# Altium PCB PCB_Right.PcbDoc (part 1 of 2) (continued)
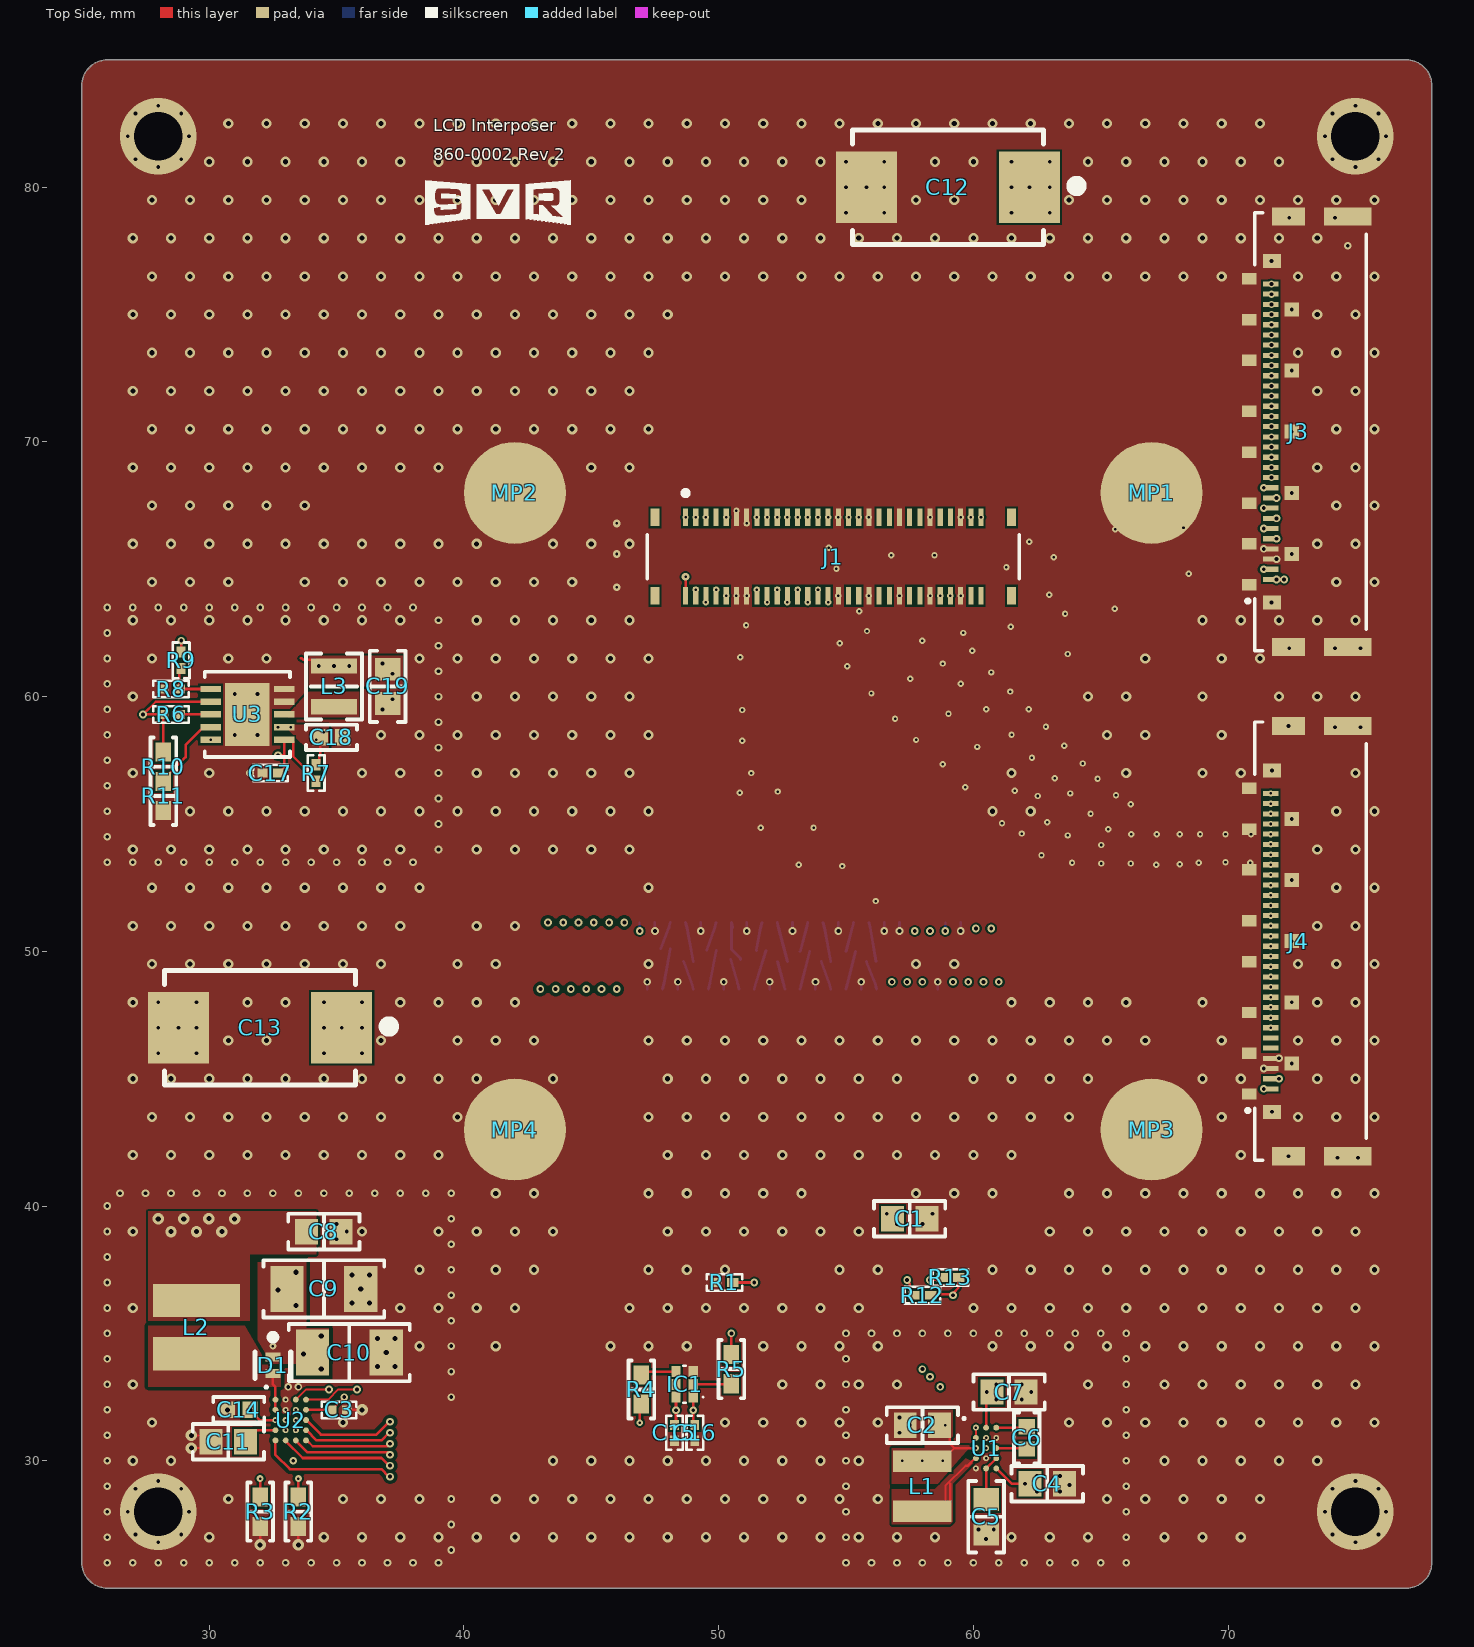
[diagram p0: Top Side view]
## Footprints (in the part's own frame and the unit in brackets; to place one, negate y for a bottom-side part, rotate by r counter-clockwise, add the part's x,y. Pads: shape width x height; smd on the part's side, far side on the other; paste and mask are expansions set on the pad) (continued)
  silkscreen extent -1.68,-1.68 1.68,1.68, body extent -1.55,-1.55 1.55,1.55, height 0.79
FP-SOD993-MFG [mm]
  rect 0.35x0.6 smd paste-1000 mask+0: 1(-0.325,0) 2(0.325,0)
  silkscreen extent -1.22,-0.7 0.53,0.7, body extent -0.63,-0.43 0.63,0.43, height 0.25
HRS_DF40B-60DS-0.4V(51) [mm]
  rect 0.2x0.7 smd paste-1 mask+0.05: 1(5.8,-1.54) 2(5.8,1.54) 3(5.4,-1.54) 4(5.4,1.54) 5(5,-1.54) 6(5,1.54) 7(4.6,-1.54) 8(4.6,1.54) 9(4.2,-1.54) 10(4.2,1.54) 11(3.8,-1.54) 12(3.8,1.54) 13(3.4,-1.54) 14(3.4,1.54) 15(3,-1.54) 16(3,1.54) 17(2.6,-1.54) 18(2.6,1.54) 19(2.2,-1.54) 20(2.2,1.54) 21(1.8,-1.54) 22(1.8,1.54) 23(1.4,-1.54) 24(1.4,1.54) 25(1,-1.54) 26(1,1.54) 27(0.6,-1.54) 28(0.6,1.54) 29(0.2,-1.54) 30(0.2,1.54) 31(-0.2,-1.54) 32(-0.2,1.54) 33(-0.6,-1.54) 34(-0.6,1.54) 35(-1,-1.54) 36(-1,1.54) 37(-1.4,-1.54) 38(-1.4,1.54) 39(-1.8,-1.54) 40(-1.8,1.54) 41(-2.2,-1.54) 42(-2.2,1.54) 43(-2.6,-1.54) 44(-2.6,1.54) 45(-3,-1.54) 46(-3,1.54) 47(-3.4,-1.54) 48(-3.4,1.54) 49(-3.8,-1.54) 50(-3.8,1.54) 51(-4.2,-1.54) 52(-4.2,1.54) 53(-4.6,-1.54) 54(-4.6,1.54) 55(-5,-1.54) 56(-5,1.54) 57(-5.4,-1.54) 58(-5.4,1.54) 59(-5.8,-1.54) 60(-5.8,1.54)
  rect 0.35x0.7 smd paste-1: S1(7,-1.54) S2(7,1.54) S3(-7,-1.54) S4(-7,1.54)
  silkscreen extent -7.3,-2.59 7.3,0.87, body extent -7.29,-1.69 7.31,1.69, height 1.4
"IND 0806_2016" [mm] "Chip Capacitor, 2-Leads, Body 2.00x1.20mm, IPC Medium Density"
  rect 0.6x1.8 smd: 1(-0.8,0) 2(0.8,0)
  silkscreen extent -1.3,-1.1 1.3,1.1, body extent -1.01,-0.91 1.01,0.91, height 1.81
IPEX_20682-030E-02 [mm]
  rect 0.2x0.6 smd: 1(-5.8,0) 2(-5.4,0) 3(-5,0) 4(-4.6,0) 5(-4.2,0) 6(-3.8,0) 7(-3.4,0) 8(-3,0) 9(-2.6,0) 10(-2.2,0) 11(-1.8,0) 12(-1.4,0) 13(-1,0) 14(-0.6,0) 15(-0.2,0) 16(0.2,0) 17(0.6,0) 18(1,0) 19(1.4,0) 20(1.8,0) 21(2.2,0) 22(2.6,0) 23(3,0) 24(3.4,0) 25(3.8,0) 26(4.2,0) 27(4.6,0) 28(5,0) 29(5.4,0) 30(5.8,0)
  rect 0.71x1.3 smd: S1(-8.445,-0.7) S2(8.445,-0.7)
  rect 0.71x1.85 smd: S3(-8.445,-3.025) S4(8.445,-3.025)
  rect 0.55x0.55 smd: S5(-4.8,-0.825) S6(-2.4,-0.825) S7(0,-0.825) S14(2.4,-0.825) S15(4.8,-0.825)
  rect 0.45x0.58 smd: S8(-6,0.84) S9(-4.4,0.84) S10(-2.8,0.84) S11(-0.8,0.84) S16(0.8,0.84) S17(2.8,0.84) S18(6,0.84) S19(4.4,0.84)
  rect 0.55x0.7 smd: S12(-6.7,-0.05) S13(6.7,-0.05)
  silkscreen extent -8.6,-3.75 8.6,0.97
PESD3V3L5UF115 [mm]
  rect 0.425x0.37 smd: 1(-0.5,-0.337) 2(0,-0.337) 3(0.5,-0.337) 4(0.5,0.337) 5(0,0.337) 6(-0.5,0.337)
  silkscreen extent -0.72,-0.75 0.72,0.05, body extent -0.72,-0.5 0.73,0.5, height 0.47
"RES 0201_0603" [mm] "Chip Resistor, 2-Leads, Body 0.60x0.30mm, IPC Medium Density"
  rect 0.44x0.35 smd: 1(-0.325,0) 2(0.325,0)
  silkscreen extent -0.7,-0.33 0.7,0.33, body extent -0.3,-0.15 0.3,0.15, height 0.21
"RES 0402_1005" [mm] "Chip Resistor, 2-Leads, Body 1.0x0.5mm, IPC Medium Density"
  rect 0.75x0.6 smd: 1(-0.575,0) 2(0.575,0)
  silkscreen extent -1.14,-0.51 1.14,0.51, body extent -0.5,-0.25 0.5,0.25, height 0.35
WCAP-PHGP_L7.3W4.3H1.9 [mm] "Aluminum Polymer Capacitors, body 7.3x4.3mm"
  rect 2.4x2.8 smd: 1(3.2,0) 2(-3.2,0)
  silkscreen extent -3.75,-2.25 5.25,2.25, body extent -3.65,-2.15 3.65,2.15, height 1.9
WE-MAPI_2510 [mm] "SMT Shielded Power Inductor, body 2..5x2mm"
  rect 0.85x2.3 smd: 1(-0.975,0) 2(0.975,0)
  body extent -1.25,-1 1.25,1, height 1
WE-MAPI_3015 [mm] "SMT Shielded Power Inductor, body 3x3mm"
  rect 1.3x3.4 smd: 1(-1.05,0) 2(1.05,0)
  body extent -1.5,-1.5 1.5,1.5, height 1.5

## Part data
C1 C2 C4 C5 C7 C8 C11: library part GRM188R61C106MA73D, "CAP CER 10UF 16V X5R 0603", Device Package="0603 (1608 Metric)", Manufacturer="Murata Electronics", Operating Temperature="-55°C ~ 85°C", Supplier Part Number 1=490-7201-1-ND, Temperature Coefficient=X5R, Tolerance=±20%, Voltage - Rated=16V, Applications="General Purpose", Capacitance="10 µF", ComponentLink1Description=Datasheet, ComponentLink1URL=https://www.murata.com/~/media/webrenewal/support/library/catalog/products/capacitor/mlcc/c02e.ashx?la=en-us, ComponentLink2Description="DigiKey Link", ComponentLink2URL=https://www.digikey.com/en/products/detail/murata-electronics/GRM188R61C106MA73D/3900480, LastUpdated="2022-04-02 05:55:00", Lifecycle Status=Active, Minimum Order=1, Mounting Type="Surface Mount, MLCC", Package / Case="0603 (1608 Metric)", Packaging=TapeAndReel, Part Number=GRM188R61C106MA73D, Part Status=Active, PartId=15141, Price=0.04, Series=GRM, Size / Dimension="0.063\" L x 0.031\" W (1.60mm x 0.80mm)", Supplier 1=DigiKey, Thickness (Max)="0.039\" (1.00mm)"
C3 C15 C16 C17: library part GRM033R61A104KE15D, "CAP CER 0.1UF 10V X5R 0201", Device Package="0201 (0603 Metric)", Manufacturer="Murata Electronics", Operating Temperature="-55°C ~ 85°C", Supplier Part Number 1=490-5881-1-ND, Temperature Coefficient=X5R, Tolerance=±10%, Voltage - Rated=10V, Applications="General Purpose", Capacitance="0.1 µF", ComponentLink1Description=Datasheet, ComponentLink1URL=https://www.murata.com/~/media/webrenewal/support/library/catalog/products/capacitor/mlcc/c02e.ashx?la=en-us, ComponentLink2Description="DigiKey Link", ComponentLink2URL=https://www.digikey.com/en/products/detail/murata-electronics/GRM033R61A104KE15D/2269163, LastUpdated="2022-04-12 22:01:55", Lifecycle Status=Active, Minimum Order=1, Mounting Type="Surface Mount, MLCC", Package / Case="0201 (0603 Metric)", Packaging=CutTape, Part Number=GRM033R61A104KE15D, Part Status=Active, PartId=1641, Price=0.01, Series=GRM, Size / Dimension="0.024\" L x 0.012\" W (0.60mm x 0.30mm)", Supplier 1=DigiKey, Thickness (Max)="0.013\" (0.33mm)"
C6 C18: library part GRM155R61C225ME44D, "CAP CER 2.2UF 16V X5R 0402", Device Package="0402 (1005 Metric)", Manufacturer="Murata Electronics", Operating Temperature="-55°C ~ 85°C", Supplier Part Number 1=490-10456-1-ND, Temperature Coefficient=X5R, Tolerance=±20%, Voltage - Rated=16V, Applications="General Purpose", Capacitance="2.2 µF", ComponentLink1Description=Datasheet, ComponentLink1URL=https://search.murata.co.jp/Ceramy/image/img/A01X/G101/ENG/GRM155R61C225ME44-01.pdf, ComponentLink2Description="DigiKey Link", ComponentLink2URL=https://www.digikey.com/en/products/detail/murata-electronics/GRM155R61C225ME44D/5027541, LastUpdated="2022-04-02 05:51:52", Lifecycle Status=Active, Minimum Order=1, Mounting Type="Surface Mount, MLCC", Package / Case="0402 (1005 Metric)", Packaging=TapeAndReel, Part Number=GRM155R61C225ME44D, Part Status=Active, PartId=4092, Price=0.03, Series=GRM, Size / Dimension="0.039\" L x 0.020\" W (1.00mm x 0.50mm)", Supplier 1=DigiKey, Thickness (Max)="0.024\" (0.60mm)"
C9 C10: library part GRM31CR71H475KA12L, "CAP CER 4.7UF 50V X7R 1206", Device Package="1206 (3216 Metric)", Manufacturer="Murata Electronics", Operating Temperature="-55°C ~ 125°C", Supplier Part Number 1=490-6521-1-ND, Temperature Coefficient=X7R, Tolerance=±10%, Voltage - Rated=50V, Applications="General Purpose", Capacitance="4.7 µF", ComponentLink1Description=Datasheet, ComponentLink1URL=https://www.murata.com/~/media/webrenewal/support/library/catalog/products/capacitor/mlcc/c02e.ashx?la=en-us, ComponentLink2Description="DigiKey Link", ComponentLink2URL=https://www.digikey.com/en/products/detail/murata-electronics/GRM31CR71H475KA12L/2548209, LastUpdated="2022-04-02 06:00:47", Lifecycle Status=Active, Minimum Order=1, Mounting Type="Surface Mount, MLCC", Package / Case="1206 (3216 Metric)", Packaging=TapeAndReel, Part Number=GRM31CR71H475KA12L, Part Status=Active, PartId=20010, Price=0.08, Series=GRM, Size / Dimension="0.126\" L x 0.063\" W (3.20mm x 1.60mm)", Supplier 1=DigiKey, Thickness (Max)="0.071\" (1.80mm)"
C12 C13: library part 875015119006, "WCAP-PHGP Aluminum Polymer Capacitor, H-Chip SMT, L7.3W4.3H1.9mm, 220uF, 6.3V", Capacitance Tolerance=+/-20%, Leakage Current=138.6uA, Manufacturer="Wurth Elektronik", Operating Temperature Max=105°C, Operating Temperature Min=-55°C, Rated Voltage (DC)=6.3V, Ripple Current=5100mA, Capacitance=220uF, Category="Aluminum Polymer Capacitors", ComponentLink1Description="Manufacturer Link", ComponentLink1URL=https://www.we-online.com/redexpert/article/875015119006?ad, ComponentLink2Description=Datasheet, ComponentLink2URL=https://www.we-online.com/redexpert/spec/875015119006?ad, Dissipation Factor=6%, Endurance=2000h, ESR=15mOhm, Height=1.9mm, Length=7.3mm, Manufacturer Part Number=875015119006, Match Code=WCAP-PHGP, Mount="Surface Mount", Packaging="Tape and Reel", Technical Reference=PSE2917221M6R3DHCT2HT19, Width=4.3mm
C14: library part GRM155R61C105MA12D, "CAP CER 1UF 16V X5R 0402", Device Package="0402 (1005 Metric)", Manufacturer="Murata Electronics", Operating Temperature="-55°C ~ 85°C", Supplier Part Number 1=490-14599-1-ND, Temperature Coefficient=X5R, Tolerance=±20%, Voltage - Rated=16V, Applications="General Purpose", Capacitance="1 µF", ComponentLink1Description=Datasheet, ComponentLink1URL=https://search.murata.co.jp/Ceramy/image/img/A01X/G101/ENG/GRM155R61C105MA12-01.pdf, ComponentLink2Description="DigiKey Link", ComponentLink2URL=https://www.digikey.com/en/products/detail/murata-electronics/GRM155R61C105MA12D/4905131, LastUpdated="2022-04-02 05:51:33", Lifecycle Status=Active, Minimum Order=1, Mounting Type="Surface Mount, MLCC", Package / Case="0402 (1005 Metric)", Packaging=TapeAndReel, Part Number=GRM155R61C105MA12D, Part Status=Active, PartId=10295, Price=0.01, Series=GRM, Size / Dimension="0.039\" L x 0.020\" W (1.00mm x 0.50mm)", Supplier 1=DigiKey, Thickness (Max)="0.022\" (0.55mm)"
C19: library part GRM188R60J476ME01D, "CAP CER 47UF 6.3V X5R 0603", Device Package="0603 (1608 Metric)", Manufacturer="Murata Electronics", Operating Temperature="-55°C ~ 85°C", Supplier Part Number 1=490-GRM188R60J476ME01DCT-ND, Temperature Coefficient=X5R, Tolerance=±20%, Voltage - Rated=6.3V, Applications="General Purpose", Capacitance="47 µF", ComponentLink2Description="DigiKey Link", ComponentLink2URL=https://www.digikey.com/en/products/detail/murata-electronics/GRM188R60J476ME01D/13996874, LastUpdated="5/20/2022 2:38:45 PM", Lifecycle Status=Active, Minimum Order=1, Mounting Type="Surface Mount, MLCC", Package / Case="0603 (1608 Metric)", Packaging=TapeAndReel, Part Number=GRM188R60J476ME01D, Part Status=Active, PartId=44498, Price=0.10, Series=GRM, Size / Dimension="0.063\" L x 0.031\" W (1.60mm x 0.80mm)", Supplier 1=DigiKey, Thickness (Max)="0.039\" (1.00mm)"
D1: library part CMP-14398-000012-1, "DIODE SCHOTTKY 60V 1A DSN1006-2"
IC1: "Integrated Circuit", Manufacturer_Name=Nexperia, Mouser Part Number=771-74AXP1T34GMH, Arrow Part Number=74AXP1T34GMH, Arrow Price/Stock=https://www.arrow.com/en/products/74axp1t34gmh/nexperia, Datasheet Link=https://assets.nexperia.com/documents/data-sheet/74AXP1T34.pdf, Height=0.5mm, Manufacturer_Part_Number=74AXP1T34GMH, Mouser Price/Stock=https://www.mouser.co.uk/ProductDetail/Nexperia/74AXP1T34GMH?qs=64Y9EYqwa9hz4MxtKQGkpQ%3D%3D
J1: library part CMP-013-000000-1, Package=None, Availability=Unavailable, Design Item ID=DF40B-60DS-0.4V(51), MF="{'manufacturer': u'Hirose Electric Co Ltd'}", MP=DF40B-60DS-0.4V(51), Price=None, Source=DF40B-60DS-0.4V(51).SchLib
J2: "Connector", Manufacturer_Name=Molex, Mouser Part Number=538-504754-6120, Datasheet Link=https://componentsearchengine.com/Datasheets/1/504754-6120.pdf, Height=1.67mm, Manufacturer_Part_Number=504754-6120, Mouser Price/Stock=https://www.mouser.com/Search/Refine.aspx?Keyword=538-504754-6120
J3: "Cabline-CAII Rece. Ass'y", Package=None, Availability=Unavailable, MF="{'manufacturer': u'I-PEX'}", MP=20682-030E-02, Price=None
J4: library part CMP-004-000000-1, "Cabline-CAII Rece. Ass'y", Package=None, Availability=Unavailable, Design Item ID=20682-030E-02, MF="{'manufacturer': u'I-PEX'}", MP=20682-030E-02, Price=None, Source=20682-030E-02.SchLib
L1: library part 74438323047, "WE-MAPI SMT Power Inductor, size 2510, 4.7uH, 0.94A", DC Resistance max.=388mOhm, DC Resistance typ.=338mOhm, Inductance=4.7uH, Manufacturer="Wurth Elektronik", Operating Temperature="-40 to +125degC", Rated Current=0.94A, Saturation Current=1.75A, Self Resonant Frequency=35MHz, ComponentLink1Description=Manufacturer, ComponentLink1URL=http://www.we-online.de, ComponentLink2Description=Datasheet, ComponentLink2URL=https://www.we-online.com/catalog/datasheet/74438323047.pdf, Height=1mm, Length=2.5mm, Manufacturer Part Number=74438323047, Mounting Technology=SMT, Packaging="Tape and Reel", Size=2510, Width=2mm
L2: library part 74438335068, "WE-MAPI SMT Power Inductor, size 3015, 6.8uH, 1.1A", DC Resistance max.=287mOhm, DC Resistance typ.=250mOhm, Inductance=6.8uH, Manufacturer="Wurth Elektronik", Operating Temperature="-40 to +125degC", Rated Current=1.1A, Saturation Current=2.4A, Self Resonant Frequency=25MHz, ComponentLink1Description=Manufacturer, ComponentLink1URL=http://www.we-online.de, ComponentLink2Description=Datasheet, ComponentLink2URL=https://www.we-online.com/catalog/datasheet/74438335068.pdf, Height=1.5mm, Length=3mm, Manufacturer Part Number=74438335068, Mounting Technology=SMT, Packaging="Tape and Reel", Size=3015, Width=3mm
L3: library part 74479276222C, "FIXED IND 2.2UH 1.6A 135MOHM SMD", Current - Saturation=2.5A, Current Rating (Amps)="1.6 A", DC Resistance (DCR)="135mOhm Max", Device Package="0806 (2016 Metric)", Frequency - Self Resonant=40MHz, Inductance Frequency - Test="1 MHz", Manufacturer="Würth Elektronik", Operating Temperature="-40°C ~ 125°C", Supplier Part Number 1=732-9716-1-ND, Tolerance=±20%, ComponentLink1Description=Datasheet, ComponentLink1URL=https://katalog.we-online.de/pbs/datasheet/74479276222C.pdf, ComponentLink2Description="DigiKey Link", ComponentLink2URL=https://www.digikey.com/en/products/detail/würth-elektronik/74479276222C/5870522, Height - Seated (Max)="0.039\" (1.00mm)", Inductance="2.2 µH", LastUpdated="5/23/2022 1:46:32 PM", Lifecycle Status=Active, Material - Core="0806 (2016 Metric)", Minimum Order=1, Mounting Type="Surface Mount", Package / Case="0806 (2016 Metric)", Packaging=TapeAndReel, Part Number=74479276222C, Part Status=Active, PartId=2839, Price=0.51, Series=WE-PMCI, Shielding=Shielded, Size / Dimension="0.079\" L x 0.063\" W (2.00mm x 1.60mm)", Supplier 1=DigiKey, Type=Molded
MP1 MP2 MP3 MP4: library part 97730256330, "WA-SMSI SMT Steel Spacer, internal Thread Bottom closed, OD 3.3mm, M1.6x2.5mm", Manufacturer="Wurth Elektronik", Operating Temperature="-55 to +150degC", ComponentLink1Description=Manufacturer, ComponentLink1URL=http://www.we-online.de, ComponentLink2Description=Datasheet, ComponentLink2URL=https://www.we-online.com/catalog/datasheet/97730256330.pdf, Inner Diameter=-, Inner Thread Length=1.5mm, Length=2.5mm, Manufacturer Part Number=97730256330, Material=Steel, Mounting Technology=SMT, Outer Diameter=3.3mm, Packaging=Bulk, Published Date="April 2020", Surface=Tin, Thread=M1.6
R1 R12 R13: library part ERJ-U01J272C, "RES 2.7K OHM 5% 1/20W 0201 SMD", Device Package="0201 (0603 Metric)", Manufacturer="Panasonic Electronic Components", Operating Temperature="-55°C ~ 125°C", Power (Watts)="0.05W, 1/20W", Supplier Device Package=0201, Supplier Part Number 1=10-ERJ-U01J272CCT-ND, Temperature Coefficient=±200ppm/°C, Tolerance=±5%, ComponentLink1Description=Datasheet, ComponentLink1URL=https://industrial.panasonic.com/cdbs/www-data/pdf/RDP0000/AOA0000C334.pdf, ComponentLink2Description="DigiKey Link", ComponentLink2URL=https://www.digikey.com/en/products/detail/panasonic-electronic-components/ERJ-U01J272C/11641374, Composition="Thick Film", Features=Anti-Sulfur, Height - Seated (Max)="0.010\" (0.26mm)", LastUpdated="2022-04-12 22:15:26", Lifecycle Status=Active, Minimum Order=1, Number of Terminations=2, Package / Case="0201 (0603 Metric)", Packaging=TapeAndReel, Part Number=ERJ-U01J272C, Part Status=Active, PartId=64645, Price=0.04, Resistance="2.7 kOhms", Series=ERJ-U01, Size / Dimension="0.024\" L x 0.012\" W (0.60mm x 0.30mm)", Supplier 1=DigiKey
R2 R4 R5 R11: library part CRCW04020000Z0EDHP, "RES SMD 0 OHM JUMPER 1/5W 0402", Device Package="0402 (1005 Metric)", Manufacturer="Vishay Dale", Operating Temperature="-55°C ~ 155°C", Power (Watts)="0.2W, 1/5W", Ratings=AEC-Q200, Supplier Device Package=0402, Supplier Part Number 1=541-0.0YBCT-ND, Tolerance=Jumper, ComponentLink1Description=Datasheet, ComponentLink1URL=http://www.vishay.com/docs/20043/crcwhpe3.pdf, ComponentLink2Description="DigiKey Link", ComponentLink2URL=http://digikey.com/product-detail/en/vishay-dale/CRCW04020000Z0EDHP/541-0.0YBCT-ND/2223008, Composition="Thick Film", Features="Automotive AEC-Q200, Pulse Withstanding", Height - Seated (Max)="0.016\" (0.40mm)", LastUpdated="2022-04-02 06:08:09", Lifecycle Status=Active, Minimum Order=1, Number of Terminations=2, Package / Case="0402 (1005 Metric)", Packaging=TapeAndReel, Part Number=CRCW04020000Z0EDHP, Part Status=Active, PartId=3131, Price=0.01, Resistance="0 Ohms", Series=CRCW-HP, Size / Dimension="0.039\" L x 0.020\" W (1.00mm x 0.50mm)", Supplier 1=DigiKey
R3: library part RC0402FR-0724K3L, "RES 24.3K OHM 1% 1/16W 0402", Device Package="0402 (1005 Metric)", Manufacturer=Yageo, Operating Temperature="-55°C ~ 155°C", Power (Watts)="0.063W, 1/16W", Supplier Device Package=0402, Supplier Part Number 1=YAG3071CT-ND, Temperature Coefficient=±100ppm/°C, Tolerance=±1%, ComponentLink1Description=Datasheet, ComponentLink1URL=https://www.yageo.com/upload/media/product/productsearch/datasheet/rchip/PYu-RC_Group_51_RoHS_L_10.pdf, ComponentLink2Description="DigiKey Link", ComponentLink2URL=https://www.digikey.com/en/products/detail/yageo/RC0402FR-0724K3L/5280931, Composition="Thick Film", Features="Moisture Resistant", Height - Seated (Max)="0.016\" (0.40mm)", LastUpdated="2022-04-02 06:08:10", Lifecycle Status=Active, Minimum Order=1, Number of Terminations=2, Package / Case="0402 (1005 Metric)", Packaging=CutTape, Part Number=RC0402FR-0724K3L, Part Status=Active, PartId=2738, Price=0.01, Resistance="24.3 kOhms", Series=RC_L, Size / Dimension="0.039\" L x 0.020\" W (1.00mm x 0.50mm)", Supplier 1=DigiKey
R6: library part CRCW020110K0FKED, "RES SMD 10K OHM 1% 1/20W 0201", Device Package="0201 (0603 Metric)", Manufacturer="Vishay Dale", Operating Temperature="-55°C ~ 155°C", Power (Watts)="0.05W, 1/20W", Supplier Device Package=0201, Supplier Part Number 1=541-10.0KAABCT-ND, Temperature Coefficient=±100ppm/°C, Tolerance=±1%, ComponentLink1Description=Datasheet, ComponentLink1URL=http://www.vishay.com/docs/20052/crcw0201e3.pdf, ComponentLink2Description="DigiKey Link", ComponentLink2URL=https://www.digikey.com/en/products/detail/vishay-dale/CRCW020110K0FKED/1967989, Composition="Thick Film", Height - Seated (Max)="0.010\" (0.26mm)", LastUpdated="5/23/2022 1:02:37 PM", Lifecycle Status=Active, Minimum Order=1, Number of Terminations=2, Package / Case="0201 (0603 Metric)", Packaging=TapeAndReel, Part Number=CRCW020110K0FKED, Part Status=Active, PartId=29, Price=0.03, Resistance="10 kOhms", Series=CRCW, Size / Dimension="0.024\" L x 0.012\" W (0.60mm x 0.30mm)", Supplier 1=DigiKey
R7: library part CRG0201F10R, "RES SMD 10 OHM 1% 1/20W 0201", Device Package="0201 (0603 Metric)", Manufacturer="TE Connectivity Passive Product", Operating Temperature="-55°C ~ 155°C", Power (Watts)="0.05W, 1/20W", Supplier Device Package=0201, Supplier Part Number 1=A129573CT-ND, Temperature Coefficient=±400ppm/°C, Tolerance=±1%, ComponentLink1Description=Datasheet, ComponentLink1URL=https://www.te.com/commerce/DocumentDelivery/DDEController?Action=srchrtrv&DocNm=1773204&DocType=DS&DocLang=English, ComponentLink2Description="DigiKey Link", ComponentLink2URL=https://www.digikey.com/en/products/detail/te-connectivity-passive-product/CRG0201F10R/4489648, Composition="Thick Film", Height - Seated (Max)="0.010\" (0.26mm)", LastUpdated="5/23/2022 1:02:37 PM", Lifecycle Status=Active, Minimum Order=1, Number of Terminations=2, Package / Case="0201 (0603 Metric)", Packaging=TapeAndReel, Part Number=CRG0201F10R, Part Status=Active, PartId=3, Price=0.03, Resistance="10 Ohms", Series="CRG, Neohm", Size / Dimension="0.024\" L x 0.012\" W (0.60mm x 0.30mm)", Supplier 1=DigiKey
R8: library part CRCW020116K5FNED, "RES SMD 16.5K OHM 1% 1/20W 0201", Device Package="0201 (0603 Metric)", Manufacturer="Vishay Dale", Operating Temperature="-55°C ~ 155°C", Power (Watts)="0.05W, 1/20W", Supplier Device Package=0201, Supplier Part Number 1=541-CRCW020116K5FNEDCT-ND, Temperature Coefficient=±200ppm/°C, Tolerance=±1%, ComponentLink1Description=Datasheet, ComponentLink1URL=http://www.vishay.com/docs/20052/crcw0201e3.pdf, ComponentLink2Description="DigiKey Link", ComponentLink2URL=https://www.digikey.com/en/products/detail/vishay-dale/CRCW020116K5FNED/1199935, Composition="Thick Film", Height - Seated (Max)="0.011\" (0.28mm)", LastUpdated="5/23/2022 1:02:31 PM", Lifecycle Status=Active, Minimum Order=1, Number of Terminations=2, Package / Case="0201 (0603 Metric)", Packaging=TapeAndReel, Part Number=CRCW020116K5FNED, Part Status=Active, PartId=1208, Price=0.01, Resistance="16.5 kOhms", Series=CRCW, Size / Dimension="0.024\" L x 0.012\" W (0.60mm x 0.30mm)", Supplier 1=DigiKey
R9: library part RK73H1HTTC1372F, "RES 13.7K OHM 1% 1/20W 0201", Device Package="0201 (0603 Metric)", Manufacturer="KOA Speer Electronics, Inc.", Operating Temperature="-55°C ~ 155°C", Power (Watts)="0.05W, 1/20W", Ratings=AEC-Q200, Supplier Device Package=0201, Supplier Part Number 1=2019-RK73H1HTTC1372FCT-ND, Temperature Coefficient=±200ppm/°C, Tolerance=±1%, ComponentLink1Description=Datasheet, ComponentLink1URL=http://www.koaspeer.com/catimages/Products/RK73H/RK73H.pdf, ComponentLink2Description="DigiKey Link", ComponentLink2URL=https://www.digikey.com/en/products/detail/koa-speer-electronics-inc/RK73H1HTTC1372F/9843939, Composition="Thick Film", Features="Automotive AEC-Q200, Moisture Resistant", Height - Seated (Max)="0.010\" (0.26mm)", LastUpdated="5/23/2022 1:02:37 PM", Lifecycle Status=Active, Minimum Order=1, Number of Terminations=2, Package / Case="0201 (0603 Metric)", Packaging=CutTape, Part Number=RK73H1HTTC1372F, Part Status=Active, PartId=168, Price=0.01, Resistance="13.7 kOhms", Series=RK73H, Size / Dimension="0.024\" L x 0.012\" W (0.60mm x 0.30mm)", Supplier 1=DigiKey
R10: library part CRCW04020000Z0EDHP, "RES SMD 0 OHM JUMPER 1/5W 0402", Device Package="0402 (1005 Metric)", Manufacturer="Vishay Dale", Operating Temperature="-55°C ~ 155°C", Power (Watts)="0.2W, 1/5W", Ratings=AEC-Q200, Resistance="0 Ohms", Supplier Device Package=0402, Supplier Part Number 1=541-0.0YBCT-ND, Tolerance=Jumper, ComponentLink1Description=Datasheet, ComponentLink1URL=http://www.vishay.com/docs/20043/crcwhpe3.pdf, ComponentLink2Description="DigiKey Link", ComponentLink2URL=http://digikey.com/product-detail/en/vishay-dale/CRCW04020000Z0EDHP/541-0.0YBCT-ND/2223008, Composition="Thick Film", Features="Automotive AEC-Q200, Pulse Withstanding", Height - Seated (Max)="0.016\" (0.40mm)", LastUpdated="2022-04-02 06:08:09", Lifecycle Status=Active, Minimum Order=1, Number of Terminations=2, Package / Case="0402 (1005 Metric)", Packaging=TapeAndReel, Part Number=CRCW04020000Z0EDHP, Part Status=Active, PartId=3131, Price=0.01, Series=CRCW-HP, Size / Dimension="0.039\" L x 0.020\" W (1.00mm x 0.50mm)", Supplier 1=DigiKey
U1: library part CMP-019-00049-2, "Split-Rail, Single Inductor Dual Output Converter with Positive and Negative Outputs 15-DSBGA -40 to 85"
U2: library part CMP-019-00051-2, "6 channel high-efficiency/Efficacy LED backlight driver 20-DSBGA -30 to 85"
U3: library part CMP-011-000001-1, "No Description Available", Mfr_Name="Analog Devices Inc", Copyright="Copyright (C) 2022 Ultra Librarian. All rights reserved.", Design Item ID=ADP2120ACPZ-R7, Manufacturer_Part_Number=ADP2120ACPZ-R7, RefDes=RefDes, Source=ADP2120ACPZ-R7.SchLib, Type=DEV

## Via types
v1: diameter 0.4, hole 0.2, Top Side to Bottom Side, 696 vias
v2: diameter 0.3, hole 0.15, Top Side to Bottom Side, 344 vias
v3: diameter 0.25, hole 0.1, Top Side to Inner 1 (HS), 155 vias
v4: diameter 0.45, hole 0.2, Top Side to Bottom Side, 30 vias
v5: diameter 0.28, hole 0.15, Top Side to Bottom Side, 20 vias
v6: diameter 0.3, hole 0.1, Inner 6 (HS) to Bottom Side, 20 vias
v7: diameter 0.23, hole 0.1, Top Side to Inner 1 (HS), 15 vias
v8: diameter 0.275, hole 0.1, Top Side to Inner 1 (HS), 9 vias
v9: diameter 3, hole 1.9, Top Side to Bottom Side, 4 vias
v10: diameter 0.3, hole 0.1, Top Side to Bottom Side, 3 vias
v11: diameter 0.3, hole 0.1, Top Side to Inner 1 (HS), 1 vias

## Nets (pads, with @x,y where several pads share a name; then routed paths per layer and width w, separated by ;. In a path a pad name is that pad's centre, name@x,y a point inside that pad or via, vN(x,y) a via of type N, cw(c..) or ccw(c..) an arc to the next point about the centre after c; other vN are vias at no path point)
+1.1: C19.2 J1.4 J1.5 J1.6 L3.1 R9.1 | length 7.2
  Top Side w0.1: R9.1@28.9,61.75 v2(28.9,62.2) ; 33.6,61.5 33.641,61.5 33.691,61.45 34.15,61.45 L3.1@34.4,61.2
  Inner Layer 3 w0.1: v2(28.9,62.2) 32.9,62.2 33.6,61.5 33.946,61.5 34.246,61.2 v2(34.3,61.2)
  other v2: 37.2,60.9 34.9,61.2 35.5,61.2 36.8,61.3
  other v3: 49.5,63.7 49.1,64.2 49.5,67.04
+1.8: C1.2 C12.1 C16.2 IC1.1 J2.3 J2.4 J2.5 J2.48 J3.2 | length 1.5
  Top Side w0.1: IC1.1@49,32.5 49,31.473 C16.2@49.063,31.41
  Bottom Side w0.075: v2(46.9,50.8) J2.48@46.9,51.135
  other v2: 49,31.986 57,39.3 56.6,39.7 59.8,48.8 60.4,48.8 60.1,50.9 71.4,65 61.5,79 63,79 61.5,80 62.2,80 63,80 61.5,81 63,81
+5: C2.2 C8.2 C13.1 C14.2 C18.2 J1.1 J1.2 J1.3 J3.1 J4.1 J4.2 L1.1 L2.1 R7.1 U1.C1 U2.C1 U3.2 | length 6.7
  Top Side w0.075: v8(58.8,30) 58.8,30.05 59.25,30.5
  Top Side w0.1: C14.2@31.6,31.8 31.78,31.8 31.98,31.6 v7(32.6,31.6) ; R7.1@34.2,57.325 34.325,57.45 34.325,57.695 34.36,57.73 C18.2@34.36,58.4 ; J1.2@48.7,63.96 v11(48.7,64.7) ; v8(58,30) v8(58.8,30) ; C2.2@58.675,31.4 59.075,31 59.075,30.675 59.25,30.5 v7(60.1,30.5)
  Top Side w0.15: v2(71.9,64.6) v2(72.2,64.6)
  other v2: 71.4,44.6 72,45 34.5,46 36,46 34.5,47 35.2,47 36,47 34.5,48 36,48
  other v3: 34.2,58.3 34.5,58.6 32.7,58.8 33.2,58.8 48.7,67.04 49.1,67.04
  other v4: 31.6,32 28.5,39 29.5,39 30.5,39 28,39.5 29,39.5 31,39.5 29.984,39.511
  other v8: 57.2,30 58.4,31.1 58.9,31.4 58.4,31.7
CAM_D0_N: J1.59 J4.30 | length 18.6
  Inner 1 (HS) w0.069: v3(60.3,67.04) cw(c60.182,67.04) 60.265,66.957 60.257,66.948 ccw(c60.36,66.845) 60.215,66.845 60.215,63.317 ccw(c62.705,63.317) 60.944,61.556 65.641,56.859 ccw(c67.437,58.655) 67.437,56.115 71.469,56.115 ccw(c71.469,56.288) 71.592,56.165 cw(c71.675,56.082) v3(71.675,56.2)
CAM_D0_P: J1.57 J4.29 | length 19
  Inner 1 (HS) w0.069: v3(59.9,67.04) ccw(c60.018,67.04) 59.935,66.957 59.943,66.948 cw(c59.84,66.845) 59.985,66.845 59.985,63.317 ccw(c62.705,63.317) 60.782,61.394 65.479,56.696 ccw(c67.437,58.655) 67.437,55.885 71.469,55.885 cw(c71.469,55.712) 71.592,55.835 ccw(c71.675,55.918) v3(71.675,55.8)
CAM_D1_N: J1.54 J4.28 | length 17.2
  Inner 1 (HS) w0.069: v3(59.1,63.96) cw(c58.982,63.96) 59.065,63.877 59.057,63.868 ccw(c59.16,63.765) 59.015,63.765 59.015,62.956 ccw(c61.116,62.956) 59.63,61.47 65.041,56.059 ccw(c66.837,57.855) 66.837,55.315 71.469,55.315 ccw(c71.469,55.488) 71.592,55.365 cw(c71.675,55.282) v3(71.675,55.4)
CAM_D1_P: J1.52 J4.27 | length 17.6
  Inner 1 (HS) w0.069: v3(58.7,63.96) ccw(c58.818,63.96) 58.735,63.877 58.743,63.868 cw(c58.64,63.765) 58.785,63.765 58.785,62.908 ccw(c61.001,62.908) 59.434,61.341 64.879,55.896 ccw(c66.837,57.855) 66.837,55.085 71.469,55.085 cw(c71.469,54.912) 71.592,55.035 ccw(c71.675,55.118) v3(71.675,55)
CAM_D2_N: J1.53
CAM_D2_P: J1.51
CAM_D3_N: J1.48
CAM_D3_P: J1.46
CAM_D4_N: J1.47
CAM_D4_P: J1.45
CAM_D5_N: J1.42
CAM_D5_P: J1.40
CAM_D6_N: J1.41
CAM_D6_P: J1.39
CAM_D7_N: J1.36
CAM_D7_P: J1.34
CAM_DC_N: J1.60
CAM_DC_P: J1.58
CAM_EN: J1.9 J4.7 | length 38.4
  Inner 1 (HS) w0.075: v3(50.3,67.04) 50.3,66.7 49.7,66.1 49.7,64.576 49.662,64.538 49.662,64.102 49.802,63.962 49.812,63.962 49.9,63.875 49.9,53.429 56.029,47.3 56.1,47.3 56.4,47 v3(71.675,47)
CAM_EN_1V1: J1.8 U3.10 | length 31.8
  Inner 1 (HS) w0.075: v3(30.055,58.3) 29.4,58.955 29.4,61.5 35.588,67.688 50.912,67.688 51,67.6 51,67.036 50.862,66.898 50.862,66.702 51,66.564 51,65.06 50.587,64.647 50.347,64.647 v3(49.9,64.2)
CAM_PGOOD: J1.10 J4.8 | length 33.6
  Inner 1 (HS) w0.075: v3(50.3,63.96) 50.3,54.829 57.729,47.4 v3(71.675,47.4)
CAM_SCK: J1.16 J4.9 | length 30.7
  Inner 1 (HS) w0.075: v3(51.5,64.2) 51.5,58.255 58.637,51.118 58.637,50.691 60.079,49.25 70.225,49.25 v3(71.675,47.8)
CAM_SDI: J1.15 J4.10 | length 33.1
  Inner 1 (HS) w0.075: v3(51.5,67.04) 51.5,64.536 51.738,64.298 51.738,64.102 51.65,64.014 51.65,58.494 59.237,50.907 59.237,50.613 60.326,49.525 70.35,49.525 v3(71.675,48.2)
CAM_SDO: J1.17 J4.12 | length 32.4
  Inner 1 (HS) w0.075: v3(51.9,67.04) 51.9,64.036 52.138,63.798 52.138,58.784 59.584,51.338 60.034,51.338 60.363,51.009 60.363,50.266 60.554,50.075 70.6,50.075 v3(71.675,49)
D0_0_N: J2.35 J3.24 | length 50.3
  Inner 6 (HS) w0.07: v6(50.478,49.677) 50.57,49.677 50.57,65.969 cw(c52.324,65.969) 51.084,67.209 51.995,68.12 52.69,68.815 ccw(c52.534,68.97) 52.69,69.126 cw(c53.008,69.444) 52.69,69.762 cw(c53.008,69.444) 53.326,69.762 53.563,69.525 ccw(c53.718,69.681) 53.874,69.525 ccw(c53.718,69.681) 53.874,69.837 53.461,70.25 cw(c53.779,70.568) 53.461,70.886 cw(c53.779,70.568) 54.097,70.886 54.385,70.599 54.636,70.347 ccw(c54.792,70.503) 54.947,70.347 ccw(c54.792,70.503) 54.947,70.658 ; 54.947,70.659 54.276,71.329 cw(c54.594,71.648) 54.275,71.967 cw(c54.594,71.648) 54.874,72 54.878,72 55.584,71.295 ccw(c55.739,71.45) 55.895,71.295 ccw(c55.739,71.45) 55.895,71.606 ; 55.894,71.607 55.224,72.277 cw(c55.541,72.596) 55.223,72.914 cw(c55.541,72.596) 55.822,72.948 55.826,72.948 56.169,72.605 ccw(c56.324,72.761) 56.48,72.605 57.06,73.185 57.076,73.201 cw(c58.316,71.961) 58.316,73.715 71.495,73.715 ccw(c71.495,73.888) 71.617,73.766 cw(c71.7,73.682) v5(71.7,73.8)
  Bottom Side w0.111: v6(50.478,49.677) 50.745,48.735 J2.35@50.8,48.52
D0_0_P: J2.36 J3.23 | length 50.5
  Inner 6 (HS) w0.07: v6(50.853,49.677) 50.8,49.677 50.8,65.969 cw(c52.324,65.969) 51.246,67.046 52.158,67.958 52.852,68.652 ccw(c52.534,68.97) 52.852,69.289 cw(c53.008,69.444) 52.852,69.6 cw(c53.008,69.444) 53.163,69.6 53.4,69.363 ccw(c53.718,69.681) 54.037,69.363 ccw(c53.718,69.681) 54.037,69.999 53.623,70.412 cw(c53.779,70.568) 53.623,70.723 cw(c53.779,70.568) 53.935,70.723 54.473,70.185 ccw(c54.792,70.503) 55.11,70.184 ccw(c54.792,70.503) 55.144,70.783 55.144,70.787 54.438,71.493 cw(c54.594,71.648) 54.438,71.804 cw(c54.594,71.648) 54.749,71.804 55.42,71.133 ccw(c55.739,71.45) 56.058,71.132 ccw(c55.739,71.45) 56.091,71.731 56.091,71.735 55.386,72.44 cw(c55.541,72.596) 55.386,72.751 cw(c55.541,72.596) 55.697,72.751 ; 55.698,72.751 56.005,72.443 ccw(c56.324,72.761) 56.642,72.442 57.222,73.022 57.239,73.039 cw(c58.316,71.961) 58.316,73.485 71.495,73.485 cw(c71.495,73.312) 71.617,73.434 ccw(c71.7,73.518) v5(71.7,73.4)
  Bottom Side w0.111: J2.36@50.555,50.925 J2.36@50.5,51.135 50.5,50.081 50.853,49.728 v6(50.853,49.677)
D0_1_N: J2.41 J3.28 | length 50
  Inner 6 (HS) w0.07: v6(48.625,49.6) 48.655,49.653 ccw(c48.594,49.687) 48.664,49.687 48.67,69.769 cw(c50.424,69.769) 49.184,71.009 49.728,71.553 49.834,71.659 ccw(c49.678,71.814) 49.834,71.97 49.682,72.121 cw(c50,72.44) 49.682,72.758 cw(c50,72.44) 50.28,72.792 50.284,72.792 50.693,72.383 ccw(c50.849,72.539) 51.005,72.383 ccw(c50.849,72.539) 51.004,72.694 ; 51.004,72.695 50.63,73.069 cw(c50.947,73.388) 50.629,73.706 cw(c50.947,73.388) 51.228,73.74 51.232,73.74 51.418,73.554 ccw(c51.573,73.71) 51.729,73.554 52.918,74.744 52.976,74.801 cw(c54.216,73.561) 54.216,75.315 71.495,75.315 ccw(c71.495,75.488) 71.617,75.366 cw(c71.7,75.282) v5(71.7,75.4)
  Bottom Side w0.111: v6(48.625,49.6) 48.945,48.735 J2.41@49,48.52
D0_1_P: J2.42 J3.27 | length 50
  Inner 6 (HS) w0.07: v6(49,49.6) 48.929,49.793 cw(c48.995,49.817) 48.925,49.817 48.9,69.769 cw(c50.424,69.769) 49.346,70.846 49.89,71.39 49.996,71.496 ccw(c49.678,71.814) 49.996,72.133 49.844,72.285 cw(c50,72.44) 49.844,72.596 cw(c50,72.44) 50.156,72.596 ; 50.156,72.595 50.53,72.221 ccw(c50.849,72.539) 51.167,72.22 ccw(c50.849,72.539) 51.201,72.819 51.201,72.823 50.792,73.232 cw(c50.947,73.388) 50.792,73.543 cw(c50.947,73.388) 51.103,73.543 ; 51.104,73.542 51.254,73.392 ccw(c51.573,73.71) 51.891,73.391 53.081,74.581 53.139,74.639 cw(c54.216,73.561) 54.216,75.085 71.495,75.085 cw(c71.495,74.912) 71.617,75.034 ccw(c71.7,75.118) v5(71.7,75)
  Bottom Side w0.111: J2.42@48.7,51.135 48.755,50.925 v6(49,49.6)
D0_2_N: J2.44 J3.30 | length 49.8
  Inner 6 (HS) w0.07: v6(47.725,50.1) ccw(c47.619,50.206) 47.769,50.206 47.769,50.248 cw(c47.818,50.248) 47.783,50.283 ccw(c47.749,50.317) 47.797,50.317 47.797,73.533 cw(c49.462,73.533) 48.285,74.71 49.176,75.601 cw(c50.416,74.361) 50.416,76.115 71.495,76.115 ccw(c71.495,76.288) 71.617,76.166 cw(c71.7,76.082) v5(71.7,76.2)
  Bottom Side w0.111: v6(47.725,50.1) 48.045,50.925 J2.44@48.1,51.135
D0_2_P: J2.45 J3.29 | length 50
  Inner 6 (HS) w0.07: v6(48.1,50.1) cw(c48.206,50.206) 48.056,50.206 48.056,50.248 ccw(c48.007,50.248) 48.042,50.283 cw(c48.076,50.317) 48.028,50.317 48.028,73.533 cw(c49.462,73.533) 48.446,74.546 ; 48.446,74.546 49.339,75.439 cw(c50.416,74.361) 50.416,75.885 71.495,75.885 cw(c71.495,75.712) 71.617,75.834 ccw(c71.7,75.918) v5(71.7,75.8)
  Bottom Side w0.111: J2.45@47.8,48.52 47.855,48.735 v6(48.1,50.1)
D0_3_N: J2.32 J3.22 | length 50.3
  Inner 6 (HS) w0.07: v6(51.48,50.033) ccw(c51.374,50.139) 51.524,50.139 51.524,50.181 cw(c51.573,50.181) 51.538,50.215 ccw(c51.504,50.25) 51.552,50.25 51.552,63.951 cw(c53.306,63.951) 52.066,65.191 52.644,65.77 53.72,66.845 ccw(c53.564,67.001) 53.72,67.156 53.592,67.284 cw(c53.91,67.602) 53.592,67.92 cw(c53.91,67.602) 54.229,67.92 54.493,67.656 54.724,67.425 ccw(c54.879,67.581) 55.035,67.425 ccw(c54.879,67.581) 55.035,67.736 54.429,68.342 cw(c54.746,68.661) 54.428,68.979 cw(c54.746,68.661) 55.027,69.013 55.031,69.013 55.671,68.373 ccw(c55.827,68.528) 55.982,68.373 ccw(c55.827,68.528) 55.982,68.684 ; 55.982,68.685 55.377,69.29 cw(c55.694,69.609) 55.376,69.927 cw(c55.694,69.609) 55.974,69.961 55.978,69.961 56.619,69.32 ccw(c56.774,69.476) 56.93,69.32 ccw(c56.774,69.476) 56.93,69.632 ; 56.929,69.632 56.324,70.237 cw(c56.641,70.556) 56.323,70.874 cw(c56.641,70.556) 56.922,70.908 56.926,70.908 57.566,70.268 ccw(c57.722,70.423) 57.877,70.268 ccw(c57.722,70.423) 57.877,70.579 ; 57.877,70.58 57.272,71.185 cw(c57.589,71.504) 57.271,71.822 cw(c57.589,71.504) 57.869,71.856 57.874,71.856 58.146,71.583 ccw(c58.302,71.738) 58.458,71.583 59.037,72.163 59.276,72.401 cw(c60.516,71.161) 60.516,72.915 71.495,72.915 ccw(c71.495,73.088) 71.617,72.966 cw(c71.7,72.882) v5(71.7,73)
  Bottom Side w0.111: v6(51.48,50.033) 51.645,50.925 J2.32@51.7,51.135
D0_3_P: J2.33 J3.21 | length 50.4
  Inner 6 (HS) w0.07: v6(51.855,50.033) cw(c51.961,50.139) 51.811,50.139 51.811,50.181 ccw(c51.762,50.181) 51.797,50.215 cw(c51.831,50.25) 51.782,50.25 51.782,63.951 cw(c53.306,63.951) 52.229,65.029 52.807,65.607 53.882,66.682 ccw(c53.564,67.001) 53.882,67.319 53.755,67.447 cw(c53.91,67.602) 53.755,67.758 cw(c53.91,67.602) 54.066,67.758 54.561,67.263 ccw(c54.879,67.581) 55.197,67.263 ccw(c54.879,67.581) 55.231,67.861 55.231,67.865 54.591,68.506 cw(c54.746,68.661) 54.591,68.817 cw(c54.746,68.661) 54.902,68.817 ; 54.903,68.816 55.508,68.211 ccw(c55.827,68.528) 56.145,68.21 ccw(c55.827,68.528) 56.179,68.809 56.179,68.813 55.538,69.453 cw(c55.694,69.609) 55.538,69.764 cw(c55.694,69.609) 55.85,69.764 ; 55.85,69.764 56.455,69.158 ccw(c56.774,69.476) 57.093,69.158 ccw(c56.774,69.476) 57.126,69.756 57.126,69.76 56.486,70.401 cw(c56.641,70.556) 56.486,70.712 cw(c56.641,70.556) 56.797,70.712 ; 56.798,70.711 57.403,70.106 ccw(c57.722,70.423) 58.04,70.105 ccw(c57.722,70.423) 58.074,70.704 58.074,70.708 57.433,71.348 cw(c57.589,71.504) 57.433,71.659 cw(c57.589,71.504) 57.745,71.659 ; 57.745,71.659 57.983,71.421 ccw(c58.302,71.738) 58.62,71.42 59.2,72 59.439,72.239 cw(c60.516,71.161) 60.516,72.685 71.495,72.685 cw(c71.495,72.512) 71.617,72.634 ccw(c71.7,72.718) v5(71.7,72.6)
  Bottom Side w0.111: J2.33@51.4,48.52 51.455,48.735 v6(51.855,50.033)
D0_C_N: J2.38 J3.26 | length 50.1
  Inner 6 (HS) w0.07: v6(49.532,50.042) ccw(c49.425,50.148) 49.576,50.148 49.576,50.191 cw(c49.624,50.191) 49.59,50.225 ccw(c49.555,50.259) 49.604,50.259 49.604,67.503 cw(c51.358,67.503) 50.118,68.743 51.128,69.754 51.951,70.576 ccw(c51.795,70.732) 51.951,70.887 51.714,71.124 cw(c52.032,71.442) 51.714,71.761 cw(c52.032,71.442) 52.35,71.761 52.495,71.616 52.622,71.489 ccw(c52.777,71.645) 52.933,71.489 ccw(c52.777,71.645) 52.933,71.8 52.37,72.363 cw(c52.688,72.682) 52.369,73 cw(c52.688,72.682) 52.968,73.034 52.972,73.034 53.569,72.437 ccw(c53.725,72.592) 53.88,72.437 ccw(c53.725,72.592) 53.88,72.748 53.318,73.31 ; 53.318,73.31 cw(c53.635,73.629) 53.317,73.948 cw(c53.635,73.629) 53.916,73.981 53.92,73.981 54.482,73.419 ccw(c54.638,73.574) 54.793,73.419 55.373,73.999 55.376,74.001 cw(c56.616,72.761) 56.616,74.515 71.495,74.515 ccw(c71.495,74.688) 71.617,74.566 cw(c71.7,74.482) v5(71.7,74.6)
  Bottom Side w0.111: v6(49.532,50.042) 49.845,50.925 J2.38@49.9,51.135
D0_C_P: J2.39 J3.25 | length 50.1
  Inner 6 (HS) w0.07: v6(49.907,50.042) cw(c50.013,50.148) 49.863,50.148 49.863,50.191 ccw(c49.814,50.191) 49.848,50.225 cw(c49.883,50.259) 49.834,50.259 49.834,67.503 cw(c51.358,67.503) 50.28,68.58 51.291,69.591 52.113,70.413 ccw(c51.795,70.732) 52.113,71.05 51.877,71.287 cw(c52.032,71.442) 51.877,71.598 cw(c52.032,71.442) 52.188,71.598 52.459,71.327 ccw(c52.777,71.645) 53.095,71.327 ccw(c52.777,71.645) 53.129,71.925 53.129,71.929 52.532,72.526 cw(c52.688,72.682) 52.532,72.837 cw(c52.688,72.682) 52.843,72.837 53.406,72.275 ccw(c53.725,72.592) 54.043,72.274 ccw(c53.725,72.592) 54.077,72.873 54.077,72.877 53.48,73.474 cw(c53.635,73.629) 53.48,73.785 cw(c53.635,73.629) 53.791,73.785 ; 53.792,73.784 54.319,73.257 ccw(c54.638,73.574) 54.956,73.256 55.536,73.836 55.539,73.839 cw(c56.616,72.761) 56.616,74.285 71.495,74.285 cw(c71.495,74.112) 71.617,74.234 ccw(c71.7,74.318) v5(71.7,74.2)
  Bottom Side w0.111: J2.39@49.6,48.52 49.655,48.735 v6(49.907,50.042)
D1_0_N: J2.27 J3.17 | length 50.3
  Inner 6 (HS) w0.07: v6(53.575,50) cw(c53.681,50.106) 53.531,50.106 53.531,50.148 ccw(c53.482,50.148) 53.517,50.183 cw(c53.551,50.217) 53.503,50.217 53.503,59.873 cw(c55.021,59.873) 53.946,60.946 55.061,62.061 55.987,62.987 ccw(c55.669,63.306) 55.987,63.624 cw(c56.143,63.779) 55.987,63.935 cw(c56.143,63.779) 56.299,63.935 56.725,63.509 ccw(c57.043,63.827) 57.361,63.509 ccw(c57.043,63.827) 57.361,64.145 57.104,64.403 56.878,64.628 cw(c57.034,64.783) 56.878,64.939 cw(c57.034,64.783) 57.19,64.939 ; 57.19,64.938 57.776,64.353 ccw(c58.095,64.67) 58.413,64.352 ccw(c58.095,64.67) 58.447,64.951 58.447,64.955 57.861,65.541 cw(c58.016,65.696) 57.861,65.852 cw(c58.016,65.696) 58.172,65.852 ; 58.173,65.851 58.723,65.3 ccw(c59.042,65.618) 59.36,65.3 ccw(c59.042,65.618) 59.394,65.898 59.394,65.902 58.808,66.488 cw(c58.964,66.644) 58.808,66.799 cw(c58.964,66.644) 59.12,66.799 ; 59.12,66.798 59.671,66.248 ccw(c59.99,66.565) 60.308,66.247 ccw(c59.99,66.565) 60.342,66.846 60.342,66.85 59.756,67.436 cw(c59.911,67.591) 59.756,67.747 cw(c59.911,67.591) 60.067,67.747 ; 60.068,67.746 60.618,67.196 ccw(c60.937,67.513) 61.255,67.195 ccw(c60.937,67.513) 61.289,67.793 61.289,67.797 60.703,68.383 cw(c60.859,68.539) 60.703,68.694 cw(c60.859,68.539) 61.015,68.694 ; 61.015,68.693 61.566,68.143 ccw(c61.885,68.46) 62.203,68.142 ccw(c61.885,68.46) 62.237,68.741 62.237,68.745 61.651,69.331 cw(c61.807,69.486) 61.651,69.642 cw(c61.807,69.486) 61.962,69.642 ; 61.963,69.641 62.513,69.091 ccw(c62.832,69.408) 63.15,69.09 ccw(c62.832,69.408) 63.184,69.689 63.184,69.693 63.094,69.783 cw(c63.249,69.938) 63.094,70.094 63.2,70.2 63.639,70.639 cw(c64.716,69.561) 64.716,71.085 71.495,71.085 cw(c71.495,70.912) 71.617,71.034 ccw(c71.7,71.118) v5(71.7,71)
  Bottom Side w0.111: J2.27@53.2,48.52 53.255,48.735 v6(53.575,50)
D1_0_P: J2.26 J3.18 | length 50.3
  Inner 6 (HS) w0.07: v6(53.2,50) ccw(c53.094,50.106) 53.244,50.106 53.244,50.148 cw(c53.293,50.148) 53.258,50.183 ccw(c53.224,50.217) 53.272,50.217 53.272,59.873 cw(c55.021,59.873) 53.785,61.11 54.899,62.224 55.825,63.15 ccw(c55.669,63.306) 55.825,63.461 cw(c56.143,63.779) 55.825,64.098 cw(c56.143,63.779) 56.461,64.098 56.887,63.672 ccw(c57.043,63.827) 57.198,63.672 ccw(c57.043,63.827) 57.198,63.983 56.716,64.465 cw(c57.034,64.783) 56.716,65.102 cw(c57.034,64.783) 57.314,65.135 57.318,65.135 57.939,64.515 ccw(c58.095,64.67) 58.25,64.515 ccw(c58.095,64.67) 58.25,64.826 ; 58.249,64.827 57.699,65.377 cw(c58.016,65.696) 57.698,66.014 cw(c58.016,65.696) 58.297,66.048 58.301,66.048 58.887,65.462 ccw(c59.042,65.618) 59.198,65.462 ccw(c59.042,65.618) 59.198,65.774 ; 59.197,65.774 58.647,66.325 cw(c58.964,66.644) 58.646,66.962 cw(c58.964,66.644) 59.244,66.996 59.248,66.996 59.834,66.41 ccw(c59.99,66.565) 60.145,66.41 ccw(c59.99,66.565) 60.145,66.721 ; 60.144,66.722 59.594,67.272 cw(c59.911,67.591) 59.593,67.909 cw(c59.911,67.591) 60.192,67.943 60.196,67.943 60.782,67.357 ccw(c60.937,67.513) 61.093,67.357 ccw(c60.937,67.513) 61.093,67.669 ; 61.092,67.669 60.542,68.22 cw(c60.859,68.539) 60.541,68.857 cw(c60.859,68.539) 61.14,68.891 61.144,68.891 61.729,68.305 ccw(c61.885,68.46) 62.04,68.305 ccw(c61.885,68.46) 62.04,68.616 ; 62.04,68.617 61.489,69.167 cw(c61.807,69.486) 61.488,69.804 cw(c61.807,69.486) 62.087,69.838 62.091,69.838 62.677,69.252 ccw(c62.832,69.408) 62.988,69.252 ccw(c62.832,69.408) 62.988,69.564 ; 62.987,69.564 62.932,69.619 cw(c63.249,69.938) 62.931,70.257 63.037,70.363 63.476,70.801 cw(c64.716,69.561) 64.716,71.315 71.495,71.315 ccw(c71.495,71.488) 71.617,71.366 cw(c71.7,71.282) v5(71.7,71.4)
  Bottom Side w0.111: v6(53.2,50) 53.445,50.925 J2.26@53.5,51.135
D1_1_N: J2.21 J3.13 | length 50.3
  Inner 6 (HS) w0.07: v6@55.3,49.995 55.3,55.369 cw(c56.824,55.369) 55.746,56.446 57.801,58.501 59.109,59.809 ccw(c58.791,60.127) 59.109,60.446 cw(c59.265,60.601) 59.109,60.757 cw(c59.265,60.601) 59.42,60.757 59.739,60.438 ccw(c60.057,60.757) 60.375,60.438 ccw(c60.057,60.757) 60.375,61.075 60.175,61.275 60,61.45 cw(c60.156,61.605) 60,61.761 cw(c60.156,61.605) 60.311,61.761 ; v6@55.328,49.951 v6(55.373,49.995) ; 60.312,61.76 60.897,61.175 ccw(c61.216,61.492) 61.535,61.174 ccw(c61.216,61.492) 61.568,61.773 61.568,61.777 60.948,62.397 cw(c61.103,62.553) 60.948,62.708 cw(c61.103,62.553) 61.259,62.708 ; 61.26,62.708 61.845,62.122 ccw(c62.164,62.44) 62.482,62.121 ccw(c62.164,62.44) 62.516,62.72 62.516,62.724 61.895,63.345 cw(c62.051,63.5) 61.895,63.656 cw(c62.051,63.5) 62.206,63.656 ; 62.207,63.655 62.792,63.07 ccw(c63.111,63.387) 63.43,63.069 ccw(c63.111,63.387) 63.463,63.668 63.463,63.672 62.843,64.292 cw(c62.998,64.448) 62.843,64.603 cw(c62.998,64.448) 63.154,64.603 ; 63.155,64.603 63.74,64.017 ccw(c64.059,64.335) 64.377,64.016 ccw(c64.059,64.335) 64.411,64.615 64.411,64.619 63.79,65.24 cw(c63.946,65.395) 63.79,65.551 cw(c63.946,65.395) 64.101,65.551 ; 64.102,65.55 64.688,64.965 ccw(c65.006,65.282) 65.325,64.964 ccw(c65.006,65.282) 65.358,65.563 65.358,65.567 64.738,66.187 cw(c64.893,66.343) 64.738,66.498 cw(c64.893,66.343) 65.049,66.498 ; 65.05,66.498 65.635,65.912 ccw(c65.954,66.23) 66.272,65.912 ccw(c65.954,66.23) 66.306,66.51 66.306,66.514 65.685,67.135 cw(c65.841,67.29) 65.685,67.446 cw(c65.841,67.29) 65.997,67.446 ; 65.997,67.445 66.583,66.86 ccw(c66.902,67.177) 67.22,66.859 ccw(c66.902,67.177) 67.253,67.458 67.253,67.462 66.633,68.082 cw(c66.788,68.238) 66.633,68.394 cw(c66.788,68.238) 66.944,68.393 67.53,67.807 ccw(c67.849,68.125) 68.167,67.807 ccw(c67.849,68.125) 68.201,68.405 68.201,68.409 68.111,68.5 cw(c68.266,68.655) 68.111,68.811 68.217,68.917 68.339,69.039 cw(c69.416,67.961) 69.416,69.485 71.495,69.485 cw(c71.495,69.312) 71.617,69.434 ccw(c71.7,69.518) v5(71.7,69.4)
  Bottom Side w0.111: J2.21@55,48.52 55.055,48.735 v6(55.373,49.995)